# Altium PCB LOGTURTLE_APR_25_TX.PcbDoc (part 1 of 5) (continued)
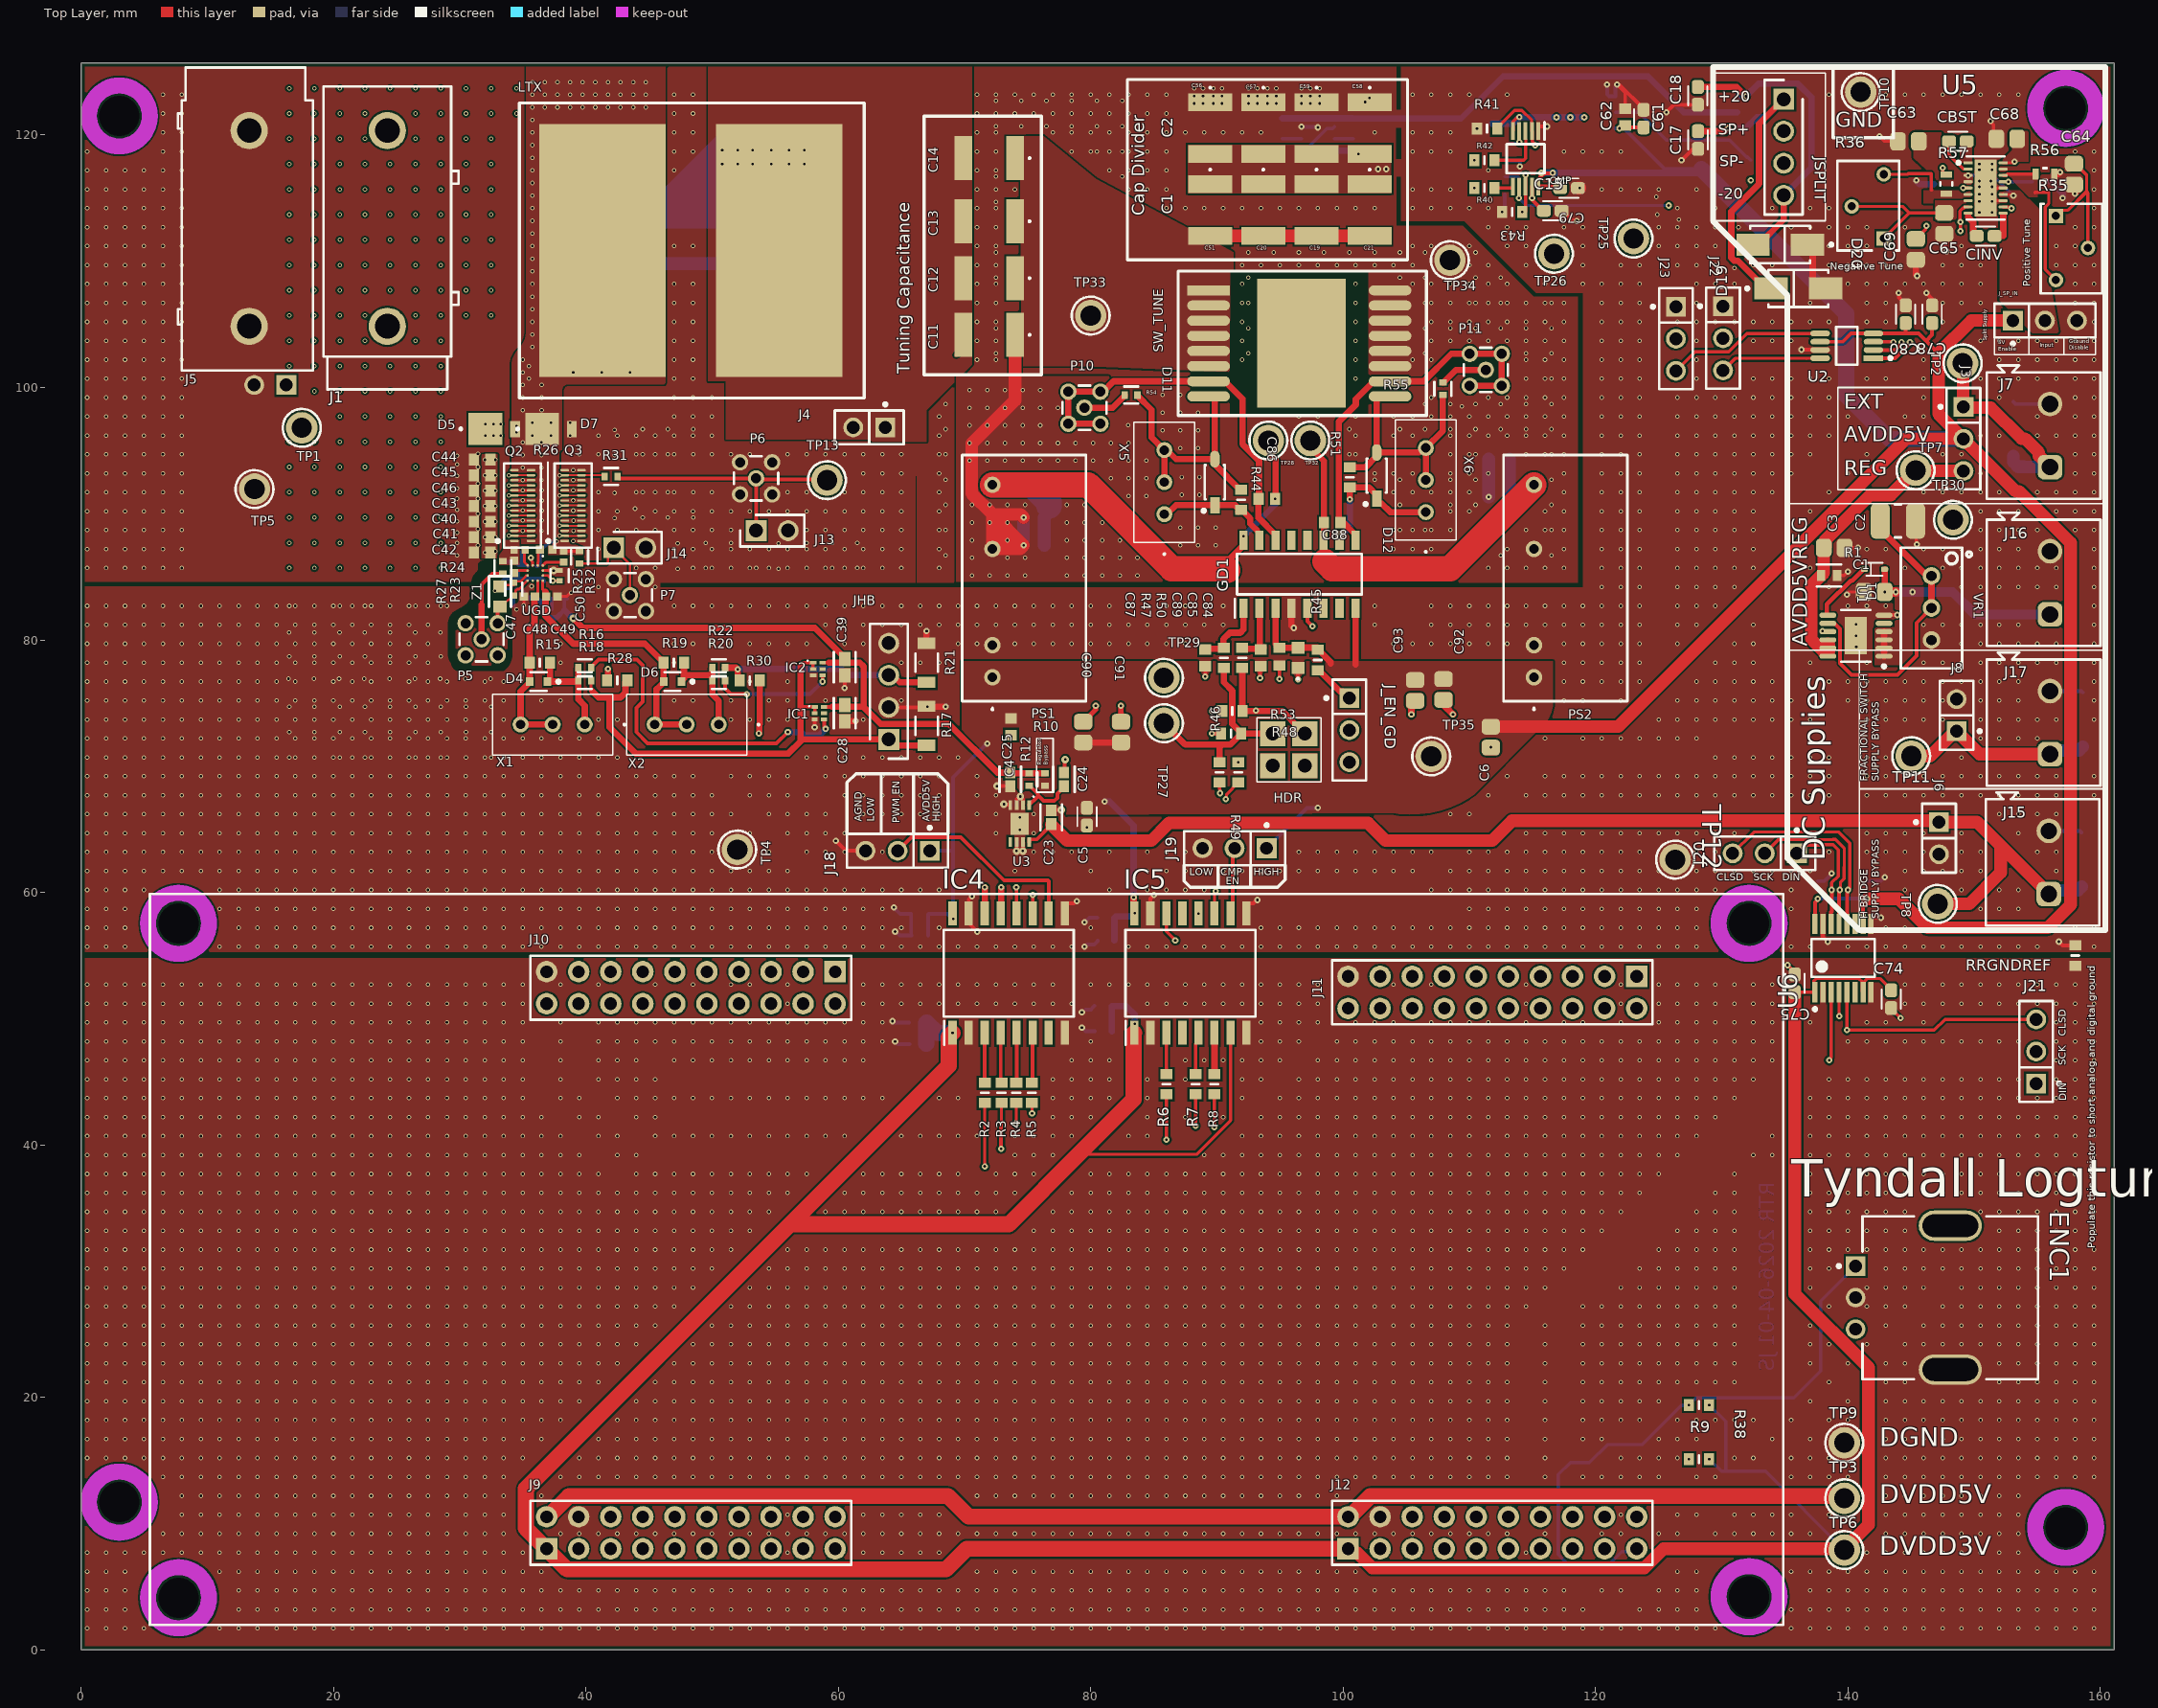
[diagram p0: Top Layer view]
## Components (designator, comment, footprint, x,y, rotation, side; value= is the part's Value field where it differs from the comment) (continued)
LTX "DNP" INDUCTORTERMINALS 48.325,110.85 r0 top
P5 "66014002121503" 66014002121503 31.74,80.05 r180 top
P6 "66014002121503" 66014002121503 53.49,92.8 r270 top
P7 "66014002121503" 66014002121503 43.49,83.55 r90 top
P10 "66014002121503" 66014002121503 79.5,98.4 r90 top
P11 "66014002121503" 66014002121503 111.3,101.4 r270 top
PS1 "R05P12S_R8" R05P12SR8 72.215,77.047 r90 top
PS2 "R05P12S_R8" R05P12SR8 115.115,77.047 r90 top
Q1 "EPC2038" FP-EPC2038-MFG 34.7,84.25 r180 bottom
Q2 "EPC2206" FP-EPC2206-MFG 34.99,90.65 r90 top
Q3 "EPC2206" FP-EPC2206-MFG 38.99,90.65 r90 top
R1 "MCT06030C1002FP500" FP-MCT0603-IPC_C 138.5,85.1 r180 top
R2 "RC0603FR-070RL" RESC1608X55N 71.6,44.117 r90 top value=0
R3 "RC0603FR-070RL" RESC1608X55N 72.925,44.117 r90 top value=0
R4 "RC0603FR-070RL" RESC1608X55N 74.1,44.117 r90 top value=0
R5 "RC0603FR-070RL" RESC1608X55N 75.35,44.117 r90 top value=0
R6 "RC0603FR-070RL" RESC1608X55N 86,44.8 r90 top value=0
R7 "RC0603FR-070RL" RESC1608X55N 88.3,44.8 r90 top value=0
R8 "RC0603FR-070RL" RESC1608X55N 89.8,44.8 r90 top value=0
R9 "RC0603FR0710KL" RESC1608X55N 128.2,15.1 r0 top value=10k
R10 "RMCF0402ZT0R00" FP-RMCF0402-MFG 76.375,68.95 r90 top
R11 "ERJ-2GEJ4R7X" RESC1005X40X25LL05T05 33.2,83.9 r180 bottom
R12 "RMCF0402ZT0R00" FP-RMCF0402-MFG 75.125,68.95 r90 top
R13 "RC0603FR-0727KL" RESC1608X55N 33.408,85.5 r270 bottom value=27k
R14 "RMCF0402JT20R0" FP-RMCF0402-IPC_C 35.75,85.85 r180 bottom
R15 "RC0603FR-070RL" RESC1608X55N 36.35,78.2 r180 top value=TBD
R16 "RMCF0402ZT0R00" FP-RMCF0402-MFG 39.91,77.8 r180 top
R17 "RN732BTTDK1002B10" FP-RN732B-MFG 67,73.2 r270 top
R18 "RMCF0402ZT0R00" FP-RMCF0402-MFG 39.91,76.78 r180 top
R19 "RC0603FR-070RL" RESC1608X55N 46.97,78.2 r180 top value=TBD
R20 "RMCF0402ZT0R00" FP-RMCF0402-MFG 50.53,76.78 r180 top
R21 "RN732BTTDK1002B10" FP-RN732B-MFG 67,78.2 r270 top
R22 "RMCF0402ZT0R00" FP-RMCF0402-MFG 50.53,77.8 r180 top
R23 "ERJ-2GEJ2R7X" RESC1005X40X25ML05T05 34.325,85.8 r90 top
R24 "PT0402FR-7W0R5L" RESC1005X40N 34.74,87.15 r180 top
R25 "PT0402FR-7W0R5L" RESC1005X40N 38.25,86.6 r90 top
R26 "ERJ-2GEJ2R7X" RESC1005X40X25ML05T05 36.85,87.15 r0 top
R27 "RMCF0402ZT0R00" FP-RMCF0402-MFG 33.425,85.75 r270 top
R28 "RC0603FR-070RL" RESC1608X55N 42.49,76.8 r0 top value=0
R29 "RMCF0402ZT0R00" FP-RMCF0402-MFG 37.8,82.425 r0 bottom
R30 "RC0603FR-070RL" RESC1608X55N 52.99,76.78 r180 top value=0
R31 "RMCF0402ZT0R00" FP-RMCF0402-MFG 42,92.95 r0 top
R32 "RMCF0402ZT0R00" FP-RMCF0402-MFG 39.5,86.55 r270 top
R33 "RC0603FR-07100RL" RESC1608X55N 95.162,120.499 r90 bottom value=4.7
R34 "RC0603FR-07100RL" RESC1608X55N 100.8,120.5 r270 bottom value=4.7
R35 "3266W-1-504LF" FP-3266W-MFG 157.7,111 r270 top
R36 "3266W-1-504LF" FP-3266W-MFG 141.6,114.4 r90 top
R37 "RC0603FR-07100RL" RESC1608X55N 132.3,117.2 r90 bottom value=100
R38 "RC0603FR0710KL" RESC1608X55N 128.2,19.4 r0 top value=10k
R40 "RC0603FR-07100RL" RESC1608X55N 111.2,118 r0 top value=100
R41 "RC0603FR-07100KL" RESC1608X55N 111.4,120.5 r0 top value=100k
R42 "RC0603FR-07100RL" RESC1608X55N 111.2,115.8 r0 top value=100
R43 "RC0603FR-07100KL" RESC1608X55N 113.4,113.9 r0 top value=100k
R44 "RC0603FR-070RL" RESC1608X55N 91.9,91.1 r90 top value=0
R45 "RC0603FR-071KL" RESC1608X55N 97.983,78.41 r90 top value=1k
R46 "RC0603FR-070RL" RESC1608X55N 90.2,69.5 r90 top value=0
R47 "RC0603FR-07100RL" RESC1608X55N 90.543,78.574 r90 top value=100
R48 "RC0603FR0710KL" RESC1608X55N 91.115,72.574 r0 top value=10k
R49 "RC0603FR-070RL" RESC1608X55N 91.7,69.5 r90 top value=0
R50 "RC0603FR-07100RL" RESC1608X55N 92.007,78.574 r90 top value=100
R51 "RC0603FR-070RL" RESC1608X55N 100.515,92.874 r90 top value=0
R53 "RC0603FR0710KL" RESC1608X55N 91.215,74.374 r0 top value=10k
R54 "RMCF0402ZT0R00" FP-RMCF0402-MFG 83.2,99.4 r180 top
R55 "RMCF0402ZT0R00" FP-RMCF0402-MFG 107.9,99.9 r90 top
R56 "TNPU060350K0HZEN00" FP-TNPU0603-e3-MFG 155.6,116.9 r180 top
R57 "TNPU060350K0HZEN00" FP-TNPU0603-e3-MFG 147.794,116.113 r270 top
RRGNDREF "RC0603FR-070RL" RESC1608X55N 158,55 r270 top value=0
SW_TUNE "TP65B110HRU" NV6428 89.334,107.691 r0 top
TP1 "Testpoint" TP_5006#1 17.49,96.8 r0 top
TP2 "Testpoint" TP_5006#1 149.075,101.913 r270 top
TP3 "Testpoint" TP_5006#1 139.7,12 r90 top
TP4 "Testpoint" TP_5006#1 52,63.4 r180 top
TP5 "Testpoint" TP_5006#1 13.75,91.95 r0 top
TP6 "Testpoint" TP_5006#1 139.7,7.9 r90 top
TP7 "Testpoint" TP_5006#1 145.348,93.446 r270 top
TP8 "Testpoint" TP_5006#1 147.106,59.094 r270 top
TP9 "Testpoint" TP_5006#1 139.7,16.4 r0 top
TP10 "Testpoint" TP_5006#1 141,123.4 r270 top
TP11 "Testpoint" TP_5006#1 145,70.8 r0 top
TP12 "Testpoint" TP_5006#1 126.3,62.6 r90 top
TP13 "Testpoint" TP_5006#1 59.103,92.657 r270 top
TP25 "Testpoint" TP_5006#1 123,111.8 r0 top
TP26 "Testpoint" TP_5006#1 116.7,110.6 r0 top
TP27 "Testpoint" TP_5006#1 85.8,73.4 r180 top
TP28 "Testpoint" TP_5006#1 94.075,95.8 r270 top
TP29 "Testpoint" TP_5006#2 85.8,77 r180 top
TP30 "Testpoint" TP_5006#1 148.31,89.518 r180 top
TP32 "Testpoint" TP_5006#1 97.4,95.8 r270 top
TP33 "Testpoint" TP_5006#1 80,105.7 r180 top
TP34 "Testpoint" TP_5006#1 108.458,110.083 r180 top
TP35 "Testpoint" TP_5006#1 106.975,70.775 r180 top
U1 "LT3045EMSE" TSOP65P490X110_HS-13N 140.625,80.335 r180 top
U2 "LTC1661CMS8#TRPBF" FP-MS8-8-05-08-1660-IPC_B 139.9,103.3 r180 top
U3 "MCP1703T-5002E/MC" DFN-MC8 74.375,65.45 r270 top
U4 "ADUM4120BRIZ" FP-RI-6-1-IPC_A 126.4,121.8 r0 bottom
U5 "LTC3265MPDHC#PBF" FP-DHC-18-05-08-1955-IPC_C 150.9,115.8 r0 top
U6 "ISO7041FDBQR" FP-DBQ0016A-MFG 139.6,54.8 r90 top
UGD "uP1966E" UP1966E 35.99,85.3 r0 top
VR1 "" 3296W 146.608,82.535 r270 top value=20kR
X1 "3296W-1-101LF" 3296W1200LF 39.91,73.3 r90 top value=1k
X2 "3296W-1-101LF" 3296W1200LF 50.53,73.3 r90 top value=1k
X5 "3296W-1-200LF" 3296W1200LF 85.83,89.959 r0 top
X6 "3296W-1-200LF" 3296W1200LF 106.547,90.13 r0 top
Z1 "CD0603-Z5V1" DIOC1709X85N 33.2,83.425 r270 top

## Footprints (in the part's own frame and the unit in brackets; to place one, negate y for a bottom-side part, rotate by r counter-clockwise, add the part's x,y. Pads: shape width x height; smd on the part's side, far side on the other; paste and mask are expansions set on the pad)
3296W [mm]
  round 1.4 hole 0.8: 1(-2.54,0) 2(0,0) 3(2.54,0)
  silkscreen extent -4.77,-2.42 4.77,3.17, body extent -4.76,-2.41 4.76,2.42, height 11.55
3296W1200LF [mm]
  round 1.269 hole 0.74: 1(0,0) 2(0,2.54) 3(0,5.08)
  silkscreen extent -2.42,-3.2 2.41,7.3, body extent -2.42,-2.22 2.41,7.3, height 10.38
691134710002 [mm] "Serie 1347 - 5.00 mm_2 pins"
  rrect50% 1.95x1.95 hole 1.3: 1(-2.5,-0.5)
  round 1.95 hole 1.3: 2(2.5,-0.5)
  silkscreen extent -5,-4.5 5.55,4.5, body extent -5,-4.5 5.55,4.5, height 13.1
66014002121503 [mm] "MMCX PCB THT Plug"
  round 1.3 hole 0.8 paste-2539.97: 1(0,0) 2(-1.27,1.27) 3(1.27,1.27) 4(1.27,-1.27) 5(-1.27,-1.27)
  silkscreen extent -1.75,-1.75 1.75,1.75, body extent -1.75,-1.75 1.75,1.75, height 4.5
C0603 [mm]
  rect 0.95x1 smd: 1(-0.8,0) 2(0.8,0)
  silkscreen extent -1.7,-0.05 -1.6,0.05, body extent -0.87,-0.48 0.87,0.48, height 0.87
C1812 [mm]
  rect 1.4x3.5 smd: 1(-2.05,0) 2(2.05,0)
  silkscreen extent -3.25,-0.05 -3.15,0.05, body extent -2.4,-1.75 2.4,1.75, height 1.4
CAPC1005X60X26NL10T16 [mm] "Chip Capacitor, 2-Leads, Body 1.00x0.50mm, IPC Medium Density"
  rect 0.68x0.64 smd: 1(-0.44,0) 2(0.44,0)
  body extent -0.55,-0.3 0.55,0.3, height 0.6
CAPC1608X09N [mm] "Chip Capacitor, 2-Leads, Body 1.60x0.80mm, IPC Medium Density"
  rrect50% 1.1x0.95 smd: 1(-0.7,0) 2(0.7,0)
  silkscreen extent -0.76,-0.76 0.76,0.76, body extent -0.85,-0.45 0.85,0.45, height 0.9
CAPC1608X90N [mm]
  rect 0.83x0.94 smd: 1(-0.66,0) 2(0.66,0)
  body extent -0.8,-0.4 0.8,0.4, height 0.8
CAPC1608X95N [mm]
  rect 0.78x0.98 smd: 1(-0.7,0) 2(0.7,0)
  body extent -0.87,-0.48 0.88,0.47, height 0.87
CAPC2012X14N [mm] "Chip Capacitor, 2-Leads, Body 2.00x1.25mm, IPC Medium Density"
  rrect50% 1.25x1.45 smd: 1(-0.825,0) 2(0.825,0)
  body extent -1.1,-0.72 1.1,0.72, height 1.45
CAPC2012X145N [mm]
  rect 0.62x1.47 smd: 1(-1,0) 2(1,0)
  silkscreen extent 0,-0.53 0,0.53, body extent -0.98,-0.8 1.02,0.8, height 1.25
CAPC3225X27N [mm] "Chip Capacitor, 2-Leads, Body 3.20x2.50mm, IPC Medium Density"
  rrect50% 1.5x2.8 smd: 1(-1.4,0) 2(1.4,0)
  silkscreen extent -0.25,-1.3 0.25,1.3, body extent -1.8,-1.4 1.8,1.4, height 2.7
DFN-MC8 [mm] "SON, 8-Leads, Body 2x3mm, Pitch 0.5mm, Microchip Recommended"
  rect 0.75x0.3 smd: 1(-1.45,0.75) 2(-1.45,0.25) 3(-1.45,-0.25) 4(-1.45,-0.75) 5(1.45,-0.75) 6(1.45,-0.25) 7(1.45,0.25) 8(1.45,0.75)
  rect 1.75x1.45 smd: 9(0,0)
  silkscreen extent -2.18,1.05 -2.09,1.15, body extent -1.55,-1.05 1.55,1.05, height 1
DIOC1709X85N [mm]
  rect 0.95x1.05 smd: 1(-0.8,0) 2(0.8,0)
  silkscreen extent -1.63,-0.87 0.8,0.87, body extent -0.85,-0.45 0.85,0.45, height 0.85
DO-220AA [mil]
  rect 105.12x100 smd: 1(-27.5,0)
  rect 30x50 smd: 2(65.06,0)
  silkscreen extent -107,-2 -102,3, body extent -75,-40 77,40, height 39
FP-24_243_1-MFG [mm]
  round 2.95 hole 1.95 paste-2539.97 mask+0: 1(-7,0.3) 1(8.5,0.3)
  silkscreen extent -12,-5.35 12,5.35, body extent -10.58,-4.81 13.62,6.08, height 0.25
FP-24_243_2-MFG [mm]
  round 2.95 hole 1.95 paste-2539.97 mask+0: 1(-7,0.3) 1(8.5,0.3)
  silkscreen extent -12,-5.35 12,5.35, body extent -12.1,-5.45 12.1,5.45, height 0.25
FP-403AE-MFG [mm]
  rect 2.65x1.75 smd paste+0 mask+0: 1(-2.15,0) 2(2.15,0)
  silkscreen extent -2.37,-1.48 4.17,1.48, body extent -2.6,-1.36 2.6,1.36, height 2.5
FP-3266W-MFG [mm]
  rect 1.15x1.15 hole 0.65 paste-2539.97 mask+0: 1(-2.595,-1.23)
  round 1.15 hole 0.65 paste-2539.97 mask+0: 2(-0.055,1.31) 3(2.485,-1.23)
  silkscreen extent -3.54,-2.44 3.54,2.44, body extent -3.64,-2.54 3.64,2.54, height 0.25
FP-C1005-050-0_05-IPC_C [mm]
  rect 0.539x0.472 smd paste+0 mask+0: 1(-0.367,0) 2(0.367,0)
  silkscreen extent -0.64,-0.67 0.64,0.67, body extent -0.5,-0.25 0.5,0.25, height 0.55
FP-C1005-050-0_15-MFG [mm]
  rect 0.4x0.5 smd paste+0 mask+0: 1(-0.4,0) 2(0.4,0)
  silkscreen extent -0.5,-0.72 0.5,0.72, body extent -0.5,-0.25 0.5,0.25, height 0.55
FP-C1608-080-0_1-IPC_B [mm]
  rect 1.131x0.912 smd paste+0 mask+0: 1(-0.641,0) 2(0.641,0)
  silkscreen extent -1.21,-0.86 1.21,0.86, body extent -1.46,-0.71 1.46,0.71, height 0.25
FP-C1608-080-0_1-IPC_C [mm]
  rect 0.931x0.812 smd paste+0 mask+0: 1(-0.541,0) 2(0.541,0)
  silkscreen extent -1.01,-0.85 1.01,0.85, body extent -1.11,-0.55 1.11,0.55, height 0.25
FP-CC0402-MFG [mm]
  rect 0.5x0.5 smd paste+0 mask+0: 1(-0.5,0) 2(0.5,0)
  silkscreen extent -0.53,-0.68 0.53,0.67, body extent -0.87,-0.48 0.87,0.48, height 0.25
FP-DBQ0016A-MFG [mm]
  rect 1.6x0.41 smd paste+0 mask+0: 1(-2.7,2.222) 2(-2.7,1.587) 3(-2.7,0.952) 4(-2.7,0.317) 5(-2.7,-0.318) 6(-2.7,-0.953) 7(-2.7,-1.588) 8(-2.7,-2.222) 9(2.7,-2.222) 10(2.7,-1.587) 11(2.7,-0.952) 12(2.7,-0.317) 13(2.7,0.318) 14(2.7,0.953) 15(2.7,1.588) 16(2.7,2.222)
  silkscreen extent -4.17,-2.5 1.5,2.5, body extent -3.6,-2.75 3.6,2.75, height 0.25
FP-DHC-18-05-08-1955-IPC_C [mm]
  rect 0.731x0.242 smd paste+0 mask+0: 1(-1.391,2)
  rrect100% 0.731x0.242 smd paste+0 mask+0: 2(-1.391,1.5) 3(-1.391,1) 4(-1.391,0.5) 5(-1.391,0) 6(-1.391,-0.5) 7(-1.391,-1) 8(-1.391,-1.5) 9(-1.391,-2) 10(1.391,-2) 11(1.391,-1.5) 12(1.391,-1) 13(1.391,-0.5) 14(1.391,0) 15(1.391,0.5) 16(1.391,1) 17(1.391,1.5) 18(1.391,2)
  rect 1.75x4.5 smd paste-1000 mask+0: 19(0,0)
  silkscreen extent -2.28,-2.5 1.5,2.5, body extent -1.86,-2.6 1.86,2.6, height 0.25
FP-EPC2038-MFG [mm]
  round 0.2 smd paste-1000 mask-1000: 1(-0.225,0.225) 2(-0.225,-0.225) 3(0.225,0.225) 4(0.225,-0.225)
  silkscreen extent -1.49,-0.79 0.79,0.79, body extent -0.45,-0.45 0.45,0.45, height 0.82
FP-EPC2206-MFG [mm]
  rrect100% 0.18x0.7 smd paste-1000 mask-1000: 1(-2.8,0.665) 2(-2.8,-0.665) 3(-2.4,0.665) 4(-2.4,-0.665) 5(-2,0.665) 6(-2,-0.665) 7(-1.6,0.665) 8(-1.6,-0.665) 9(-1.2,0.665) 10(-1.2,-0.665) 11(-0.8,0.665) 12(-0.8,-0.665) 13(-0.4,0.665) 14(-0.4,-0.665) 15(0,0.665) 16(0,-0.665) 17(0.4,0.665) 18(0.4,-0.665) 19(0.8,0.665) 20(0.8,-0.665) 21(1.2,0.665) 22(1.2,-0.665) 23(1.6,0.665) 24(1.6,-0.665) 25(2,0.665) 26(2,-0.665) 27(2.4,0.665) 28(2.4,-0.665) 29(2.8,0.665) 30(2.8,-0.665)
  silkscreen extent -3.34,-1.47 3.34,2.09, body extent -3.14,-1.26 3.14,1.26, height 0.25
FP-GRM15-MFG [mm]
  rect 0.4x0.5 smd paste+0 mask+0: 1(-0.4,0) 2(0.4,0)
  silkscreen extent -0.53,-0.63 0.53,0.63, body extent -0.3,-0.16 0.3,0.16, height 0.33
FP-MCT0603-IPC_C [mm]
  rect 0.664x0.862 smd paste+0 mask+0: 1(-0.629,0) 2(0.629,0)
  silkscreen extent -0.96,-0.87 0.96,0.87, body extent -1.06,-0.58 1.06,0.58, height 0.25
FP-MS8-8-05-08-1660-IPC_B [mm]
  rect 1.54x0.455 smd paste+0 mask+0: 1(-2.11,0.975)
  rrect100% 1.54x0.455 smd paste+0 mask+0: 2(-2.11,0.325) 3(-2.11,-0.325) 4(-2.11,-0.975) 5(2.11,-0.975) 6(2.11,-0.325) 7(2.11,0.325) 8(2.11,0.975)
  silkscreen extent -3.58,-1.5 0.84,1.5, body extent -3.13,-1.75 3.13,1.75, height 0.25
FP-PEC11R-4320K-N0012-MFG [mm]
  rrect100% 2.4x5 hole 4.4 slot 1.8 at 0 deg paste-2539.97 mask+0: 1(-5.7,0) 2(5.7,0)
  rect 1.55x1.55 hole 1 paste-2539.97 mask+0: A(-2.5,-7.5)
  round 1.55 hole 1 paste-2539.97 mask+0: B(2.5,-7.5) C(0,-7.5)
  silkscreen extent -6.45,-8.95 6.45,6.95, body extent -7,-8.37 7,7.05, height 0.25
FP-RI-6-1-IPC_A [mm]
  rect 1.955x0.622 smd paste+0 mask+0: 1(-4.831,1.27)
  rrect100% 1.955x0.622 smd paste+0 mask+0: 2(-4.831,0) 3(-4.831,-1.27) 4(4.831,-1.27) 5(4.831,0) 6(4.831,1.27)
  silkscreen extent -6.56,-2.29 3.35,2.29, body extent -5.16,-2.29 5.16,2.29, height 2.65
FP-RMCF0402-IPC_C [mm]
  rect 0.581x0.472 smd paste+0 mask+0: 1(-0.366,0) 2(0.366,0)
  silkscreen extent -0.66,-0.67 0.66,0.67, body extent -0.5,-0.25 0.5,0.25, height 0.4
FP-RMCF0402-MFG [mm]
  rect 0.5x0.6 smd paste+0 mask+0: 1(-0.5,0) 2(0.5,0)
  silkscreen extent -0.55,-0.67 0.55,0.67, body extent -0.85,-0.4 0.85,0.4, height 0.25
FP-RN732B-MFG [mm]
  rect 0.9x1.4 smd paste+0 mask+0: 1(-1.55,0) 2(1.55,0)
  silkscreen extent -0.72,-0.9 0.72,0.9, body extent -2.1,-1 2.1,1, height 0.25
FP-SOD523-MFG [mm]
  rect 0.6x0.7 smd paste+0 mask+0: 1(-0.7,0) 2(0.7,0)
  silkscreen extent -1.7,-0.75 0.63,0.75, body extent -0.8,-0.4 0.8,0.4, height 0.65
FP-SOD-123-IPC_A [mm]
  rect 1.308x0.762 smd paste+0 mask+0: 1(-1.825,0)
  rrect100% 1.308x0.762 smd paste+0 mask+0: 2(1.825,0)
  silkscreen extent -2.39,-0.8 1.35,1.01, body extent -2.98,-1.3 2.98,1.3, height 0.25
FP-SOD-523-MFG [mm]
  rect 0.65x0.3 smd paste+0 mask+0: 1(-0.675,0) 2(0.675,0)
  silkscreen extent -1.8,-0.8 0.65,0.8, body extent -0.8,-0.4 0.8,0.4, height 0.7
FP-TNPU0603-e3-MFG [mm]
  rect 0.5x0.9 smd paste+0 mask+0: 1(-0.75,0) 2(0.75,0)
  silkscreen extent -0.13,-0.48 0.13,0.48, body extent -1.1,-0.58 1.1,0.58, height 0.25
FP-TSW-102-14-G-S-MFG [mm]
  rect 1.57x1.57 hole 1.02 paste-2539.97 mask+0: 1(-1.27,0)
  round 1.57 hole 1.02 paste-2539.97 mask+0: 2(1.27,0)
  silkscreen extent -2.73,-1.95 2.73,1.34, body extent -2.67,-1.27 2.54,1.27, height 11
FP-TSW-103-14-G-S-MFG [mm]
  rect 1.57x1.57 hole 1.02 paste-2539.97 mask+0: 1(-2.54,0)
  round 1.57 hole 1.02 paste-2539.97 mask+0: 2(0,0) 3(2.54,0)
  silkscreen extent -4,-1.95 4,1.34, body extent -4.1,-1.44 4.1,1.44, height 0.25
"HDR_2X10_P2.54MM_VERTICAL - ALTERNATE" [mm]
  rect 1.7x1.7 hole 1: 1(0,0)
  round 1.7 hole 1: 2(2.54,0) 3(0,-2.54) 4(2.54,-2.54) 5(0,-5.08) 6(2.54,-5.08) 7(0,-7.62) 8(2.54,-7.62) 9(0,-10.16) 10(2.54,-10.16) 11(0,-12.7) 12(2.54,-12.7) 13(0,-15.24) 14(2.54,-15.24) 15(0,-17.78) 16(2.54,-17.78) 17(0,-20.32) 18(2.54,-20.32) 19(0,-22.86) 20(2.54,-22.86)
  silkscreen extent -1.27,-24.13 3.81,1.27
HDRV2W64P0X254_1X2_508X250X850P [mm]
  rect 1.65x1.65 hole 1.1: 1(0,0)
  round 1.65 hole 1.1: 2(2.54,0)
  silkscreen extent -1.27,-1.25 3.81,1.25, body extent -1.27,-1.25 3.81,1.25, height 8.5
HDRV4W64P0X254_1X4_1016X250X901P [mm]
  rect 1.65x1.65 hole 1.1: 1(0,0)
  round 1.65 hole 1.1: 2(2.54,0) 3(5.08,0) 4(7.62,0)
  silkscreen extent -1.52,-1.5 9.14,1.5, body extent -1.27,-1.25 8.89,1.25, height 9.01
"HEADER 2X2" [mm] "4 Pins Stiftleiste, 2.54mm"
  rect 2x2 hole 1.1: 1(-1.27,1.27) 2(1.27,1.27) 3(-1.27,-1.27) 4(1.27,-1.27)
  silkscreen extent -2.54,-2.54 2.54,2.54
INDUCTORTERMINALS [mm]
  rect 10x20 smd: 1(-7,0) 2(7,0)
  silkscreen extent -13.59,-11.68 13.72,11.68
NC7SZ00L6X [mm]
  rect 0.3x0.52 smd: 1(-0.5,-0.375) 2(0,-0.375) 3(0.5,-0.375)
  rect 0.3x0.49 smd: 4(0.5,0.375) 5(0,0.375) 6(-0.5,0.375)
  silkscreen extent -0.7,-0.85 -0.6,-0.75, body extent -0.72,-0.5 0.72,0.5, height 0.65
NC7SZ08L6X [mm]
  rect 0.3x0.52 smd: 1(-0.5,-0.36)
  rect 0.3x0.49 smd: 2(0,-0.375) 3(0.5,-0.375) 4(0.5,0.375) 5(0,0.375) 6(-0.5,0.375)
  silkscreen extent -0.6,-0.85 -0.5,-0.75, body extent -0.72,-0.5 0.72,0.5, height 0.65
NV6428 [mm]
  rect 3.38x0.8 smd: 1(0,0)
  oval 3.38x0.8 smd: 2(0,-1.2) 3(0,-2.4) 4(0,-3.6) 5(0,-4.8) 6(0,-6) 7(0,-7.2) 8(0,-8.4) 9(14.38,-8.4) 10(14.38,-7.2) 11(14.38,-6) 12(14.38,-4.8) 13(14.38,-3.6) 14(14.38,-2.4) 15(14.38,-1.2) 16(14.38,0)
  rect 7x10.2 smd: PAD(7.366,-4.191)
  silkscreen extent -2.41,-9.91 17.27,1.52
R05P12SR8 [mm]
  round 1.303 hole 0.76: 1(0,0) 2(2.54,0) 5(10.16,0) 7(15.24,0)
  silkscreen extent -2.6,-7.4 17.6,2.4, body extent -2.3,-7.4 17.2,2.4, height 12.6
RESC1005X40N [mm]
  rect 0.56x0.6 smd: 1(-0.435,0) 2(0.435,0)
  body extent -0.5,-0.25 0.5,0.25, height 0.4
RESC1005X40X25LL05T05 [mm] "Chip Resistor, 2-Leads, Body 1.00x0.50mm, IPC High Density"
  rect 0.45x0.45 smd: 1(-0.4,0) 2(0.4,0)
  body extent -0.53,-0.27 0.53,0.28, height 0.4
RESC1005X40X25ML05T05 [mm] "Chip Resistor, 2-Leads, Body 1.00x0.50mm, IPC Low Density"
  rect 0.65x0.65 smd: 1(-0.5,0) 2(0.5,0)
  body extent -0.53,-0.27 0.53,0.28, height 0.4
RESC1608X55N [mm]
  rect 0.8x0.95 smd: 1(-0.8,0) 2(0.8,0)
  silkscreen extent 0,-0.3 0,0.3, body extent -0.8,-0.4 0.8,0.4, height 0.46
SODFL160X70-2N [mm] "SODFL, 2-Leads, Body 0.80x1.60mm, IPC Medium Density"
  rrect50% 0.55x0.4 smd: 1(0.8,0) 2(-0.8,0)
  silkscreen extent -1.02,-0.53 0.64,0.55, body extent -0.8,-0.45 0.8,0.45, height 0.7
SOIC127P600X175-16N [mm]
  rect 1.5x0.65 smd: 1(-2.7,4.445) 2(-2.7,3.175) 3(-2.7,1.905) 4(-2.7,0.635) 5(-2.7,-0.635) 6(-2.7,-1.905) 7(-2.7,-3.175) 8(-2.7,-4.445) 9(2.7,-4.445) 10(2.7,-3.175) 11(2.7,-1.905) 12(2.7,-0.635) 13(2.7,0.635) 14(2.7,1.905) 15(2.7,3.175) 16(2.7,4.445)
  silkscreen extent -3.45,-4.95 1.6,5.12, body extent -3,-4.95 3,4.95, height 1.75
SOIC127P1030X255-16N [mm]
  rect 1.9x0.65 smd: 1(-4.725,4.445) 2(-4.725,3.175) 3(-4.725,1.905) 4(-4.725,0.635) 5(-4.725,-0.635) 6(-4.725,-1.905) 7(-4.725,-3.175) 8(-4.725,-4.445) 9(4.725,-4.445) 10(4.725,-3.175) 11(4.725,-1.905) 12(4.725,-0.635) 13(4.725,0.635) 14(4.725,1.905) 15(4.725,3.175) 16(4.725,4.445)
  silkscreen extent -5.68,-5.15 3.42,5.15, body extent -5.15,-5.15 5.15,5.15, height 2.55
SOP50P490X110-10N [mm]
  rect 1.4x0.3 smd: 1(-2.2,1) 2(-2.2,0.5) 3(-2.2,0) 4(-2.2,-0.5) 5(-2.2,-1) 6(2.2,-1) 7(2.2,-0.5) 8(2.2,0) 9(2.2,0.5) 10(2.2,1)
  silkscreen extent -2.9,-1.5 1.15,1.5, body extent -2.46,-1.5 2.46,1.5, height 1.1
SOT95P280X100-6N [mm]
  rect 1.05x0.55 smd: 1(-1.3,0.95) 2(-1.3,0) 3(-1.3,-0.95) 4(1.3,-0.95) 5(1.3,0) 6(1.3,0.95)
  silkscreen extent -1.83,-1.45 0.43,1.58, body extent -1.4,-1.45 1.4,1.45, height 1
TP_5006#1 [mm]
  round 2.5 hole 1.6 paste-2539.97: 1(0,0)
  silkscreen extent -1.5,-1.5 1.5,1.5, body extent -1.58,-1.59 1.58,1.59, height 5.58
TP_5006#2 [mm]
  round 2.5 hole 1.6 paste-2539.97: TP_29(0,0)
  silkscreen extent -1.5,-1.5 1.5,1.5, body extent -1.58,-1.59 1.58,1.59, height 5.58
TSOP65P490X110_HS-13N [mm] "TSOP, 12-Leads, Body 4.04x3.00mm, Pitch 0.65mm, Thermal Pad 2.95x1.76mm, IPC Medium Density"
  oval 1.35x0.4 smd mask+0.05: 1(-2.225,1.625) 2(-2.225,0.975) 3(-2.225,0.325) 4(-2.225,-0.325) 5(-2.225,-0.975) 6(-2.225,-1.625) 7(2.225,-1.625) 8(2.225,-0.975) 9(2.225,-0.325) 10(2.225,0.325) 11(2.225,0.975) 12(2.225,1.625)
  rect 1.76x2.95 smd: 13(0,0)
  silkscreen extent -2.35,-2.05 1.15,2.55, body extent -2.45,-2.05 2.45,2.05, height 1.1
UP1966E [mm]
  round 0.2 smd: A1(0.6,0.6) A2(0.6,0.2) A3(0.6,-0.2) A4(0.6,-0.6) B1(0.2,0.6) B4(0.2,-0.6) C1(-0.2,0.6) C4(-0.2,-0.6) D1(-0.6,0.6) D2(-0.6,0.2) D3(-0.6,-0.2) D4(-0.6,-0.6)
  silkscreen extent 0.55,1.3 0.65,1.4, body extent -0.8,-0.8 0.8,0.8, height 0.65

## Part data
C1 C3 C6 C52 C63 C64 C65 C68 C69 C90 C91 C92 C93 C94 C95 C96 C97: library part GRM21BZ71E106KE15L, "Multilayer Ceramic Capacitor, 10 uF, 25 V, ï¿½ 10%, X7R, 0805 [2012 Metric] https://www.digikey.ie/en/products/detail/murata-electronics/GRM21BZ71E106KE15L/13904911", Case/Package=339Case, Manufacturer=Murata, Max Operating Temperature=125°C, Min Operating Temperature=-55°C, Supplier Part Number=6134628, Tolerance=10%, Voltage Rating=25V, Category="Ceramic Capacitors", ComponentLink1Description=https://datasheet.octopart.com/GRM21BZ71E106KE15L-Murata-datasheet-141278873.pdf?src-supplier=Geoflip, ComponentLink1URL=https://datasheet.octopart.com/GRM21BZ71E106KE15L-Murata-datasheet-141278873.pdf?src-supplier=Geoflip, ComponentLink2Description=https://datasheet.octopart.com/GRM21BZ71E106KE15L-Murata-datasheet-165579666.pdf?src-supplier=TME, ComponentLink2URL=https://datasheet.octopart.com/GRM21BZ71E106KE15L-Murata-datasheet-165579666.pdf?src-supplier=TME, ComponentLink3Description=https://datasheet.octopart.com/GRM21BZ71E106KE15L-Murata-datasheet-140707837.pdf?src-supplier=Ciiva+Crawler, ComponentLink3URL=https://datasheet.octopart.com/GRM21BZ71E106KE15L-Murata-datasheet-140707837.pdf?src-supplier=Ciiva+Crawler, ComponentLink4Description=https://datasheet.octopart.com/GRM21BZ71E106KE15L-Murata-datasheet-138745134.pdf?src-supplier=Ciiva+Crawler, ComponentLink4URL=https://datasheet.octopart.com/GRM21BZ71E106KE15L-Murata-datasheet-138745134.pdf?src-supplier=Ciiva+Crawler, Height=1.45mm, Length=2mm, Manufacturer Part Number=GRM21BZ71E106KE15L, Material=4241ConductorMaterial, RoHS Compliant=Yes, Stock=81000, Supplier="Future Electronics", Thickness=1.25mm, Width=1.25mm
C2: library part CC1210KKX7R7BB226, "Ceramic Capacitor, Multilayer, Ceramic, 16V, 10% +Tol, 10% -Tol, X7R, 15% TC, 22uF, Surface Mount, 1210 https://www.digikey.ie/en/products/detail/yageo/CC1210KKX7R7BB226/5195434", Capacitor Type=Ceramic, Case/Package=1210, Manufacturer=Yageo, Max Operating Temperature=125°C, Min Operating Temperature=-55°C, Package Shape=Rectangular, Package Style=SMTMeter, Rated DC Voltage (URdc)=16V, Supplier Part Number=1992345, Temperature Characteristics Code=X7R, Tolerance  (fill in as +-)=10%, Category="Ceramic Capacitors", ComponentLink1Description=https://datasheet.ciiva.com:443/pdfs/VipMasterIC/IC/YAGO/YAGO-S-A0003557223/YAGO-S-A0003557223-1.pdf?src-supplier=IHS+Markit, ComponentLink1URL=https://datasheet.ciiva.com:443/pdfs/VipMasterIC/IC/YAGO/YAGO-S-A0003557223/YAGO-S-A0003557223-1.pdf?src-supplier=IHS+Markit, ComponentLink2Description=https://datasheet.ciiva.com/11465/upy-gphc-x7r-6-3v-to-50v-8-11465512.pdf?src-supplier=Avnet, ComponentLink2URL=https://datasheet.ciiva.com/11465/upy-gphc-x7r-6-3v-to-50v-8-11465512.pdf?src-supplier=Avnet, Dielectric Material=Ceramic, Height=2.5mm, JESD-609 Code=e3, Length=3.2mm, Manufacturer Part Number=CC1210KKX7R7BB226, Mounting Technology="Surface Mount", Multilayer=Yes, Packaging="Tape and Reel", Pins=2, Pricing="10=0.332, 100=0.248, 500=0.216, 1000=0.198 (EUR)", Reach SVHC Compliant=Yes, RoHS=Yes, RoHS Compliant=Yes, Stock=1770, Supplier=Rs, Terminal Finish=Nickel, Termination=Wraparound, Tolerance (fill in as +-)=10%, Width=2.5mm